# KiCad board DecentUSB.kicad_pcb (continued)
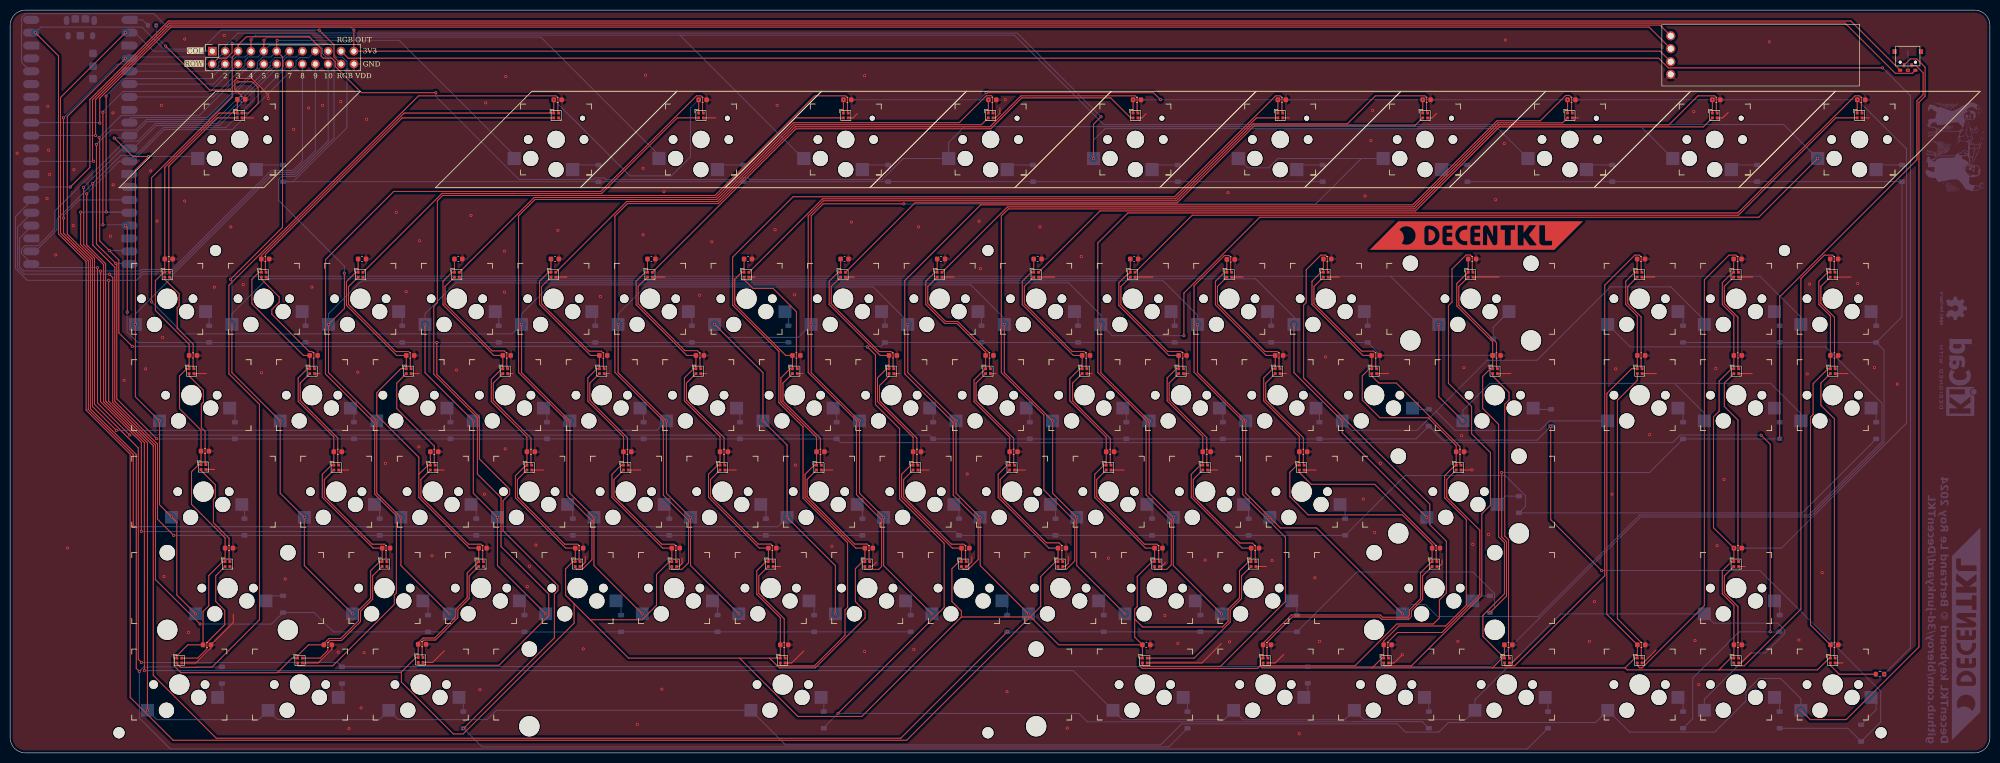
[diagram p0: board, top side]
## Footprints (pads in the part's own frame, mm; a bottom-side part is the same pattern mirrored in y, then rotated)
C_0603_1608Metric
  rrect 0.9x0.95 smd: 1(-0.775,0) 2(0.775,0)
D_SOD-123
  rrect 0.9x1.2 smd: 1(-1.65,0) 2(1.65,0)
GT-EVA01AA-L1
  rect 0.8x0.95 smd: (-2.6,1.85) (2.6,1.83)
  round 0.6 hole 0.6 unplated: (-1.5,-0.25) (1.5,-0.25)
  rrect 0.8x0.6 smd: A(-1.5,-1.85) B(1.5,-1.85) C(0,-1.85)
  rect 0.5x0.8 smd: S1(-0.75,-0.85) S2(0.75,-0.85)
Kailh_socket_Choc_1-50U-XE
  round 1.702 hole 1.702 unplated: (-3,4.85) (8,4.85)
  round 3 hole 3 unplated: (-2.5,1.1) (2.5,-1.1)
  round 3.429 hole 3.429 unplated: (2.5,4.85)
  round 0.991 hole 0.991 unplated: (7.72,9.05)
  rect 2.6x2.6 smd far side: 1(-5.775,1.1) 2(5.775,-1.1)
Kailh_socket_MX_1-00U
  round 1.702 hole 1.702 unplated: (-5.715,3.81) (4.445,3.81)
  round 3 hole 3 unplated: (-3.175,-1.27) (3.175,1.27)
  round 3.988 hole 3.988 unplated: (-0.635,3.81)
  rect 2.55x2.5 smd far side: 1(-6.925,-1.27) 2(6.925,1.27)
Kailh_socket_MX_1-25U
  round 1.702 hole 1.702 unplated: (-5.715,3.81) (4.445,3.81)
  round 3 hole 3 unplated: (-3.175,-1.27) (3.175,1.27)
  round 3.988 hole 3.988 unplated: (-0.635,3.81)
  rect 2.55x2.5 smd far side: 1(-6.925,-1.27) 2(6.925,1.27)
Kailh_socket_MX_1-50U
  round 1.702 hole 1.702 unplated: (-5.715,3.81) (4.445,3.81)
  round 3 hole 3 unplated: (-3.175,-1.27) (3.175,1.27)
  round 3.988 hole 3.988 unplated: (-0.635,3.81)
  rect 2.55x2.5 smd far side: 1(-6.925,-1.27) 2(6.925,1.27)
Kailh_socket_MX_1-75U
  round 1.702 hole 1.702 unplated: (-5.715,3.81) (4.445,3.81)
  round 3 hole 3 unplated: (-3.175,-1.27) (3.175,1.27)
  round 3.988 hole 3.988 unplated: (-0.635,3.81)
  rect 2.55x2.5 smd far side: 1(-6.925,-1.27) 2(6.925,1.27)
Kailh_socket_MX_2-00U
  round 3.05 hole 3.05 unplated: (-12.535,10.81) (11.265,10.81)
  round 4 hole 4 unplated: (-12.535,-4.43) (11.265,-4.43)
  round 1.702 hole 1.702 unplated: (-5.715,3.81) (4.445,3.81)
  round 3 hole 3 unplated: (-3.175,-1.27) (3.175,1.27)
  round 3.988 hole 3.988 unplated: (-0.635,3.81)
  rect 2.55x2.5 smd far side: 1(-6.925,-1.27) 2(6.925,1.27)
Kailh_socket_MX_2-25U
  round 3.05 hole 3.05 unplated: (-12.535,10.81) (11.265,10.81)
  round 4 hole 4 unplated: (-12.535,-4.43) (11.265,-4.43)
  round 1.702 hole 1.702 unplated: (-5.715,3.81) (4.445,3.81)
  round 3 hole 3 unplated: (-3.175,-1.27) (3.175,1.27)
  round 3.988 hole 3.988 unplated: (-0.635,3.81)
  rect 2.55x2.5 smd far side: 1(-6.925,-1.27) 2(6.925,1.27)
Kailh_socket_MX_2-75U
  round 3.05 hole 3.05 unplated: (-12.535,10.81) (11.265,10.81)
  round 4 hole 4 unplated: (-12.535,-4.43) (11.265,-4.43)
  round 1.702 hole 1.702 unplated: (-5.715,3.81) (4.445,3.81)
  round 3 hole 3 unplated: (-3.175,-1.27) (3.175,1.27)
  round 3.988 hole 3.988 unplated: (-0.635,3.81)
  rect 2.55x2.5 smd far side: 1(-6.925,-1.27) 2(6.925,1.27)
Kailh_socket_MX_6-25U
  round 3.05 hole 3.05 unplated: (-50.635,10.81) (49.365,10.81)
  round 4 hole 4 unplated: (-50.635,-4.43) (49.365,-4.43)
  round 1.702 hole 1.702 unplated: (-5.715,3.81) (4.445,3.81)
  round 3 hole 3 unplated: (-3.175,-1.27) (3.175,1.27)
  round 3.988 hole 3.988 unplated: (-0.635,3.81)
  rect 2.55x2.5 smd far side: 1(-6.925,-1.27) 2(6.925,1.27)
MountingHole_2.2mm_M2
  round 2.2 hole 2.2 unplated: (0,0)
PinSocket_2x12_P2.54mm_Vertical
  rect 1.7x1.7 hole 1: 1(0,0)
  oval 1.7x1.7 hole 1: 2(0,-2.54) 3(0,-5.08) 4(0,-7.62) 5(0,-10.16) 6(0,-12.7) 7(0,-15.24) 8(0,-17.78) 9(0,-20.32) 10(0,-22.86) 11(-2.54,0) 12(-2.54,-2.54) 13(-2.54,-5.08) 14(-2.54,-7.62) 15(-2.54,-10.16) 16(-2.54,-12.7) 17(-2.54,-15.24) 18(-2.54,-17.78) 19(-2.54,-20.32) 20(-2.54,-22.86) 21(0,-25.4) 22(-2.54,-25.4) 23(0,-27.94) 24(-2.54,-27.94)
R_0603_1608Metric
  rrect 0.8x0.95 smd: 1(-0.825,0) 2(0.825,0)
RaspberryPi_Pico_W_SMD
  oval 1.1x1.8 smd: (-2.725,24) (2.725,24)
  oval 1.05x1.45 smd: (-2.425,20.97) (2.425,20.97)
  custom 1.6x1.6 smd: 1(-8.89,24.13) 3(-8.89,19.05) 8(-8.89,6.35) 13(-8.89,-6.35) 18(-8.89,-19.05) 23(8.89,-19.05) 28(8.89,-6.35) 33(8.89,6.35) 38(8.89,19.05)
  rrect 3.2x1.6 smd: 2(-8.89,21.59) 4(-8.89,16.51) 5(-8.89,13.97) 6(-8.89,11.43) 7(-8.89,8.89) 9(-8.89,3.81) 10(-8.89,1.27) 11(-8.89,-1.27) 12(-8.89,-3.81) 14(-8.89,-8.89) 15(-8.89,-11.43) 16(-8.89,-13.97) 17(-8.89,-16.51) 19(-8.89,-21.59) 20(-8.89,-24.13) 21(8.89,-24.13) 22(8.89,-21.59) 24(8.89,-16.51) 25(8.89,-13.97) 26(8.89,-11.43) 27(8.89,-8.89) 29(8.89,-3.81) 30(8.89,-1.27) 31(8.89,1.27) 32(8.89,3.81) 34(8.89,8.89) 35(8.89,11.43) 36(8.89,13.97) 37(8.89,16.51) 39(8.89,21.59) 40(8.89,24.13)
  rrect 1.5x1.5 smd: TP1(0,21) TP2(1,24.3) TP3(-1,24.3) TP4(-2.5,17.5) TP5(-2.5,15) TP6(-2.5,12.5)
SK6809-EC15
  rect 0.55x0.55 smd: 1(-0.475,-0.475) 2(0.475,-0.475) 3(0.475,0.475) 4(-0.475,0.475)
SSD1306
  round 1.8 hole 1.2: 1(-18.2,3.81) 2(-18.2,1.27) 3(-18.2,-1.3) 4(-18.2,-3.81)

## Nets
3V3: J1.23 U1.36 U2.3
GND: C1.2 C2.2 C3.2 C4.2 C5.2 C6.2 C7.2 C8.2 C9.2 C10.2 C11.2 C12.2 C13.2 C14.2 C15.2 C16.2 C17.2 C18.2 C19.2 C20.2 C21.2 C22.2 C23.2 C24.2 C25.2 C26.2 C27.2 C28.2 C29.2 C30.2 C31.2 C32.2 C33.2 C34.2 C35.2 C36.2 C37.2 C38.2 C39.2 C40.2 C41.2 C42.2 C43.2 C44.2 C45.2 C46.2 C47.2 C48.2 C49.2 C50.2 C51.2 C52.2 C53.2 C54.2 C55.2 C56.2 C57.2 C58.2 C59.2 C60.2 C61.2 C62.2 C63.2 C64.2 C65.2 C66.2 C67.2 C68.2 C69.2 C70.2 C71.2 C72.2 C73.2 C74.2 C75.2 C76.2 C77.2 C78.2 C79.2 C80.2 C81.2 C82.2 D2.2 D4.2 D6.2 D8.2 D10.2 D12.2 D14.2 D16.2 D18.2 D20.2 D22.2 D24.2 D26.2 D28.2 D30.2 D32.2 D34.2 D36.2 D38.2 D40.2 D42.2 D44.2 D46.2 D48.2 D50.2 D52.2 D54.2 D56.2 D58.2 D60.2 D62.2 D64.2 D66.2 D68.2 D70.2 D72.2 D74.2 D76.2 D78.2 D80.2 D82.2 D84.2 D86.2 D88.2 D90.2 D92.2 D94.2 D96.2 D98.2 D100.2 D102.2 D104.2 D106.2 D108.2 D110.2 D112.2 D114.2 D116.2 D118.2 D120.2 D122.2 D124.2 D126.2 D128.2 D130.2 D132.2 D134.2 D136.2 D138.2 D140.2 D142.2 D144.2 D146.2 D148.2 D150.2 D152.2 D154.2 D156.2 D158.2 D160.2 D162.2 D164.2 J1.24 SW1.C U1.3 U1.8 U1.13 U1.18 U1.23 U1.28 U1.38 U2.4
/A/RGB_IN: D44.1 D72.3
/A/RGB_OUT: D72.1 D98.3
/Apostrophe/RGB_IN: D64.1 D92.3
/Apostrophe/RGB_OUT: D92.1 D118.3
/Atari/RGB_IN: D98.1 D130.3
/Atari/RGB_OUT: D130.1 D148.3
/B/RGB_IN: D80.1 D106.3
/B/RGB_OUT: D106.1 D134.3
/Backslash/RGB_IN: D30.1 D68.3
/Backslash/RGB_OUT: D68.1 D136.3
/Backspace/RGB_IN: D30.3 D138.1
/Backtick/RGB_IN: D2.3 D146.1
/Backtick/RGB_OUT: D2.1 D6.3
/C/RGB_IN: D76.1 D102.3
/C/RGB_OUT: D102.1 D152.3
/Caps/RGB_IN: D6.1 D70.3
/Caps/RGB_OUT: D70.1 D96.3
/Comma/RGB_IN: D86.1 D112.3
/Comma/RGB_OUT: D112.1 D162.3
/D/RGB_IN: D48.1 D76.3
/Delete/RGB_IN: D32.1 D40.3
/Delete/RGB_OUT: D40.1 D124.3
/Down/RGB_IN: D120.1 D122.3
/Down/RGB_OUT: D36.3 D122.1
/E/RGB_IN: D10.1 D48.3
/Eight/RGB_IN: D20.3 D160.1
/Eight/RGB_OUT: D20.1 D58.3
/End/RGB_IN: D34.1 D38.3
/End/RGB_OUT: D38.1 D120.3
/Equal/RGB_IN: D28.3 D140.1
/Equal/RGB_OUT: D28.1 D66.3
/Esc/RGB_IN: D146.3 R1.2
/F1/RGB_IN: D128.1 D144.3
/F1/RGB_OUT: D4.3 D144.1
/F2/RGB_OUT: D8.3 D148.1
/F3/RGB_IN: D132.1 D150.3
/F3/RGB_OUT: D10.3 D150.1
/F4/RGB_OUT: D12.3 D152.1
/F5/RGB_IN: D104.1 D154.3
/F5/RGB_OUT: D14.3 D154.1
/F6/RGB_IN: D134.1 D156.3
/F6/RGB_OUT: D16.3 D156.1
/F7/RGB_IN: D108.1 D158.3
/F7/RGB_OUT: D18.3 D158.1
/F8/RGB_IN: D110.1 D160.3
/F9/RGB_OUT: D22.3 D162.1
/F10/RGB_IN: D114.1 D164.3
/F10/RGB_OUT: D24.3 D164.1
/F/RGB_IN: D50.1 D78.3
/F/RGB_OUT: D78.1 D104.3
/Five/RGB_OUT: D14.1 D52.3
/Fn/RGB_IN: D118.1 D140.3
/Four/RGB_OUT: D12.1 D50.3
/G/RGB_IN: D52.1 D80.3
/H/RGB_IN: D54.1 D82.3
/H/RGB_OUT: D82.1 D108.3
/Home/RGB_IN: D34.3 D124.1
/I/RGB_OUT: D58.1 D86.3
/Insert/RGB_IN: D32.3 D136.1
/J/RGB_IN: D56.1 D84.3
/J/RGB_OUT: D84.1 D110.3
/L/RGB_IN: D60.1 D88.3
/L/RGB_OUT: D88.1 D114.3
/LeftAlt/RGB_IN: D100.1 D132.3
/LeftBracket/RGB_IN: D26.1 D64.3
/LeftControl/RGB_IN: D96.1 D128.3
/Menu/RGB_IN: D94.1 D138.3
/Minus/RGB_IN: D26.3 D142.1
/Nine/RGB_OUT: D22.1 D60.3
/One/RGB_OUT: D4.1 D44.3
/P/RGB_IN: D24.1 D62.3
/P/RGB_OUT: D62.1 D90.3
/PageDown/RGB_IN: D36.1 D42.3
/PageDown/RGB_OUT: D42.1 D126.3
/Return/RGB_IN: D66.1 D94.3
/Right/RGB_OUT: D126.1 R2.1
/RightAlt/RGB_IN: D116.1 D142.3
/S/RGB_IN: D46.1 D74.3
/S/RGB_OUT: D74.1 D100.3
/Semicolon/RGB_OUT: D90.1 D116.3
/Seven/RGB_OUT: D18.1 D56.3
/Six/RGB_OUT: D16.1 D54.3
/Two/RGB_OUT: D8.1 D46.3
COL_1: J1.1 SW9.1 SW10.1 SW28.1 SW29.1 SW42.1 SW43.1 SW55.1 SW56.1 SW79.1 SW80.1 U1.2
COL_2: J1.2 SW8.1 SW11.1 SW27.1 SW30.1 SW41.1 SW44.1 SW54.1 SW57.1 SW78.1 SW81.1 U1.4
COL_3: J1.3 SW7.1 SW12.1 SW26.1 SW31.1 SW40.1 SW45.1 SW53.1 SW58.1 SW77.1 SW82.1 U1.5
COL_4: J1.4 SW6.1 SW13.1 SW25.1 SW32.1 SW39.1 SW46.1 SW52.1 SW59.1 SW76.1 SW83.1 U1.6
COL_5: J1.5 SW5.1 SW14.1 SW17.1 SW24.1 SW33.1 SW38.1 SW47.1 SW51.1 SW60.1 SW75.1 U1.7
COL_6: J1.6 SW3.1 SW15.1 SW18.1 SW21.1 SW23.1 SW34.1 SW37.1 SW48.1 SW50.1 SW73.1 U1.9
COL_7: J1.7 SW2.1 SW4.1 SW16.1 SW19.1 SW20.1 SW22.1 SW35.1 SW36.1 SW49.1 SW74.1 U1.10
COL_8: J1.8 SW61.1 SW62.1 SW69.1 SW70.1 SW71.1 SW72.1 U1.11
COL_9: J1.9 SW1.S1 SW63.1 SW64.1 SW65.1 SW66.1 SW67.1 SW68.1 U1.12
RGB_LED_OUT: J1.21 R2.2
RGB_VDD: C1.1 C2.1 C3.1 C4.1 C5.1 C6.1 C7.1 C8.1 C9.1 C10.1 C11.1 C12.1 C13.1 C14.1 C15.1 C16.1 C17.1 C18.1 C19.1 C20.1 C21.1 C22.1 C23.1 C24.1 C25.1 C26.1 C27.1 C28.1 C29.1 C30.1 C31.1 C32.1 C33.1 C34.1 C35.1 C36.1 C37.1 C38.1 C39.1 C40.1 C41.1 C42.1 C43.1 C44.1 C45.1 C46.1 C47.1 C48.1 C49.1 C50.1 C51.1 C52.1 C53.1 C54.1 C55.1 C56.1 C57.1 C58.1 C59.1 C60.1 C61.1 C62.1 C63.1 C64.1 C65.1 C66.1 C67.1 C68.1 C69.1 C70.1 C71.1 C72.1 C73.1 C74.1 C75.1 C76.1 C77.1 C78.1 C79.1 C80.1 C81.1 C82.1 D2.4 D4.4 D6.4 D8.4 D10.4 D12.4 D14.4 D16.4 D18.4 D20.4 D22.4 D24.4 D26.4 D28.4 D30.4 D32.4 D34.4 D36.4 D38.4 D40.4 D42.4 D44.4 D46.4 D48.4 D50.4 D52.4 D54.4 D56.4 D58.4 D60.4 D62.4 D64.4 D66.4 D68.4 D70.4 D72.4 D74.4 D76.4 D78.4 D80.4 D82.4 D84.4 D86.4 D88.4 D90.4 D92.4 D94.4 D96.4 D98.4 D100.4 D102.4 D104.4 D106.4 D108.4 D110.4 D112.4 D114.4 D116.4 D118.4 D120.4 D122.4 D124.4 D126.4 D128.4 D130.4 D132.4 D134.4 D136.4 D138.4 D140.4 D142.4 D144.4 D146.4 D148.4 D150.4 D152.4 D154.4 D156.4 D158.4 D160.4 D162.4 D164.4 J1.22 U1.39
ROW_1: D127.1 D135.1 D143.1 D145.1 D147.1 D149.1 D151.1 D153.1 D155.1 J1.11 U1.15
ROW_2: D31.1 D33.1 D35.1 D129.1 D139.1 D157.1 D159.1 D161.1 D163.1 J1.12 U1.16
ROW_3: D1.1 D3.1 D7.1 D9.1 D11.1 D13.1 D15.1 D131.1 D141.1 J1.13 U1.17
ROW_4: D17.1 D19.1 D21.1 D23.1 D25.1 D27.1 D29.1 D133.1 D137.1 J1.14 U1.19
ROW_5: D5.1 D43.1 D45.1 D47.1 D49.1 D51.1 D53.1 D119.1 D123.1 J1.15 U1.20
ROW_6: D55.1 D57.1 D59.1 D61.1 D63.1 D65.1 D67.1 D121.1 D125.1 J1.16 U1.21
ROW_7: D69.1 D71.1 D73.1 D75.1 D77.1 D79.1 D81.1 J1.17 U1.22
ROW_8: D41.1 D83.1 D85.1 D87.1 D89.1 D91.1 D93.1 J1.18 U1.24
ROW_9: D95.1 D97.1 D99.1 D101.1 D103.1 D105.1 D107.1 J1.19 U1.25
ROW_10: D37.1 D39.1 D109.1 D111.1 D113.1 D115.1 D117.1 J1.20 SW1.S2 U1.26
Net-(D1-A): D1.2 SW2.2
Net-(D3-A): D3.2 SW3.2
Net-(D5-A): D5.2 SW4.2
Net-(D7-A): D7.2 SW5.2
Net-(D9-A): D9.2 SW6.2
Net-(D11-A): D11.2 SW7.2
Net-(D13-A): D13.2 SW8.2
Net-(D15-A): D15.2 SW9.2
Net-(D17-A): D17.2 SW10.2
Net-(D19-A): D19.2 SW11.2
Net-(D21-A): D21.2 SW12.2
Net-(D23-A): D23.2 SW13.2
Net-(D25-A): D25.2 SW14.2
Net-(D27-A): D27.2 SW15.2
Net-(D29-A): D29.2 SW16.2
Net-(D31-A): D31.2 SW17.2
Net-(D33-A): D33.2 SW18.2
Net-(D35-A): D35.2 SW19.2
Net-(D37-A): D37.2 SW20.2
Net-(D39-A): D39.2 SW21.2
Net-(D41-A): D41.2 SW22.2
Net-(D43-A): D43.2 SW23.2
Net-(D45-A): D45.2 SW24.2
Net-(D47-A): D47.2 SW25.2
Net-(D49-A): D49.2 SW26.2
Net-(D51-A): D51.2 SW27.2
Net-(D53-A): D53.2 SW28.2
Net-(D55-A): D55.2 SW29.2
Net-(D57-A): D57.2 SW30.2
Net-(D59-A): D59.2 SW31.2
Net-(D61-A): D61.2 SW32.2
Net-(D63-A): D63.2 SW33.2
Net-(D65-A): D65.2 SW34.2
Net-(D67-A): D67.2 SW35.2
Net-(D69-A): D69.2 SW36.2
Net-(D71-A): D71.2 SW37.2
Net-(D73-A): D73.2 SW38.2
Net-(D75-A): D75.2 SW39.2
Net-(D77-A): D77.2 SW40.2
Net-(D79-A): D79.2 SW41.2
Net-(D81-A): D81.2 SW42.2
Net-(D83-A): D83.2 SW43.2
Net-(D85-A): D85.2 SW44.2
Net-(D87-A): D87.2 SW45.2
Net-(D89-A): D89.2 SW46.2
Net-(D91-A): D91.2 SW47.2
Net-(D93-A): D93.2 SW48.2
Net-(D95-A): D95.2 SW49.2
Net-(D97-A): D97.2 SW50.2
Net-(D99-A): D99.2 SW51.2
Net-(D101-A): D101.2 SW52.2
Net-(D103-A): D103.2 SW53.2
Net-(D105-A): D105.2 SW54.2
Net-(D107-A): D107.2 SW55.2
Net-(D109-A): D109.2 SW56.2
Net-(D111-A): D111.2 SW57.2
Net-(D113-A): D113.2 SW58.2
Net-(D115-A): D115.2 SW59.2
Net-(D117-A): D117.2 SW60.2
Net-(D119-A): D119.2 SW61.2
Net-(D121-A): D121.2 SW62.2
Net-(D123-A): D123.2 SW63.2
Net-(D125-A): D125.2 SW64.2
Net-(D127-A): D127.2 SW65.2
Net-(D129-A): D129.2 SW66.2
Net-(D131-A): D131.2 SW67.2
Net-(D133-A): D133.2 SW68.2
Net-(D135-A): D135.2 SW69.2
Net-(D137-A): D137.2 SW70.2
Net-(D139-A): D139.2 SW71.2
Net-(D141-A): D141.2 SW72.2
Net-(D143-A): D143.2 SW73.2
Net-(D145-A): D145.2 SW74.2
Net-(D147-A): D147.2 SW75.2
Net-(D149-A): D149.2 SW76.2
Net-(D151-A): D151.2 SW77.2
Net-(D153-A): D153.2 SW78.2
Net-(D155-A): D155.2 SW79.2
Net-(D157-A): D157.2 SW80.2
Net-(D159-A): D159.2 SW81.2
Net-(D161-A): D161.2 SW82.2
Net-(D163-A): D163.2 SW83.2
Net-(U1-GPIO0): R1.1 U1.1
Net-(U1-GPIO21): SW1.A U1.27
Net-(U1-GPIO22): SW1.B U1.29
Net-(U1-GPIO26_ADC0): U1.31 U2.1
Net-(U1-GPIO27_ADC1): U1.32 U2.2

Pads without a net: J1 10; U1 14 30 33 34 35 37 40 TP1 TP2 TP3 TP4 TP5 TP6

## Via types
v1: diameter 0.6, hole 0.3, Top to Bottom, 275 vias

## Routing (per net, layer and track width the routed paths; a pad name or vN(x,y) marks a point on that pad's centre or on a via; arc(x,y) is an arc through that point)
3V3: length 343.4
  Top w0.2: v1(67.83,142.74) J1.23 325.57,138.59 U2.3
  Bottom w0.2: v1(67.83,142.74) 67.23,143.34 31.04,143.34 28.38,146 3.03,146 2.25,145.23 2.25,136.37 4.01,134.62
GND: length 217
  Top w0.2: 44.04,27.39 44.04,25.76 C64.2 39.61,20.75 36.63,17.76 D128.2 ; 156.59,20.14 154.21,17.76 D134.2 ; D120.2 342.31,36.81 ; D126.2 361.61,17.76 ; 36.26,74.91 38.71,74.91 ; 338.99,126.49 337.91,125.41 D162.2 ; D28.2 262.26,93.96 ; D148.2 139.16,125.41 ; 341.05,74.91 343.71,74.91 ; D106.2 152.01,36.81 ; 179.11,55.86 181.31,55.86 ; 224.14,126.24 223.31,125.41 D154.2 ; D142.2 235.16,17.76 238.99,21.59 ; D146.2 48.01,125.41 ; D118.2 281.99,36.81 282.54,37.36 282.54,38.09 ; 193.41,74.91 194.56,74.91 ; 147.01,93.96 D16.2 ; 255.31,55.86 257.71,55.86 ; D140.2 249.61,17.76 251.29,19.44 ; D22.2 206.06,93.96 ; 293.46,74.91 296.11,74.91 ; 274.59,19.29 v1(274.69,19.39) 273.06,17.76 D138.2 ; v1(50.94,129.24) 50.94,129.95 47.7,133.19 44.74,133.19 44.34,132.79 44.34,131.11 C73.2 ; 160.06,55.86 162.31,55.86 ; D130.2 60.78,17.76 63.46,20.45 C65.2 ; D150.2 166.31,125.41 167.14,126.24 ; 60.06,74.91 61.11,74.91 ; D24.2 225.46,93.96 ; D104.2 131.96,36.81 132.59,37.44 132.59,38.49 ; D160.2 309.41,125.41 ; D124.2 322.19,17.76 324.74,20.31 ; 98.16,74.91 99.21,74.91 ; 64.81,55.86 66.76,55.86 ; D152.2 194.41,125.41 195.29,126.29 195.29,127.39 ; D20.2 186.26,93.96 ; D12.2 109.86,93.96 ; D164.2 366.81,125.41 ; D116.2 247.86,36.81 ; 236.26,55.86 238.21,55.86 ; D26.2 243.31,93.96 ; D34.2 343.81,93.96 ; 227.99,37.59 227.21,36.81 D114.2 ; 212.46,74.91 213.46,74.91 ; 141.01,55.86 143.26,55.86 ; 189.74,38.74 189.74,37.71 188.84,36.81 D110.2 ; D18.2 166.56,93.96 ; D158.2 280.56,125.41 281.44,126.29 ; D136.2 296.29,17.76 297.94,19.41 ; 343.54,19.79 341.51,17.76 D122.2 ; 85.69,20.19 83.37,17.87 D132.2 ; D36.2 363.21,93.96 ; D32.2 324.51,93.96 ; 250.56,74.91 251.86,74.91 ; 288.41,55.86 v1(288.44,55.89) 286.26,55.86 ; 121.96,55.86 124.41,55.86 ; 174.36,74.91 175.51,74.91 ; D102.2 112.64,36.81 113.49,37.66 113.49,38.84 ; 374.42,134.81 374.42,134.82 v1(374.44,134.84) ; D156.2 252.41,125.41 ; 269.61,74.91 271.96,74.91 ; D70.2 40.32,55.97 ; 208.79,38.79 208.79,37.44 208.16,36.81 D112.2 ; D108.2 170.06,36.81 170.94,37.69 ; 102.91,55.86 105.21,55.86 ; 117.21,74.91 118.26,74.91 ; 217.21,55.86 219.76,55.86 ; 79.11,74.91 80.71,74.91 ; D30.2 293.76,93.96 ; 322,74.91 324.81,74.91 ; 198.16,55.86 200.31,55.86 ; 231.51,74.91 232.51,74.91 ; 360.1,74.91 362.61,74.91 ; 155.31,74.91 156.41,74.91 ; 136.26,74.91 137.41,74.91 ; 83.86,55.86 85.66,55.86 ; D14.2 129.21,93.96
  Bottom w0.2: v1(374.44,134.84) 374.44,138.74
  vias: v1(1.39,118.44) v1(7.29,109.49) v1(7.44,127.69) v1(7.59,119.04) v1(7.79,114.24) v1(8.99,98.34) v1(11.34,40.44) v1(12.44,104.14) v1(12.59,115.19) v1(19.79,102.04) v1(20.29,126.39) v1(20.34,112.19) v1(22.49,73.59) v1(26.74,75.84) v1(27.74,114.94) v1(28.99,105.04) v1(29.84,127.89) v1(30.09,82.04) v1(30.34,34.84) v1(34.44,140.99) v1(34.44,108.99) v1(35.19,23.79) v1(40.29,91.99) v1(42.24,141.69) v1(43.54,103.89) v1(45.99,92.49) v1(49.59,75.09) v1(54.29,34.34) v1(55.94,123.14) v1(58.89,127.39) v1(59.54,91.99) v1(61.64,127.89) v1(64.74,19.89) v1(65.24,128.64) v1(66.84,4.79) v1(68.59,75.19) v1(69.24,8.89) v1(69.84,19.79) v1(70.34,125.14) v1(74.04,57.19) v1(76.19,106.74) v1(78.14,91.09) v1(80.64,60.44) v1(80.79,101.14) v1(83.24,38.94) v1(88.09,75.59) v1(90.94,106.14) v1(92.69,12.49) v1(93.59,51.09) v1(93.84,128.39) v1(97.54,99.09) v1(97.54,90.99) v1(97.69,60.04) v1(97.79,133.59) v1(102.04,32.84) v1(102.49,36.84) v1(103.74,41.04) v1(108.09,103.19) v1(113.09,20.54) v1(116.44,90.14) v1(123.74,5.64) v1(124.89,115.44) v1(124.89,102.34) v1(125.39,133.84) v1(128.59,12.59) v1(128.99,110.84) v1(136.04,90.39) v1(138.44,100.94) v1(150.94,103.34) v1(151.34,127.89) v1(154.79,90.49) v1(154.94,56.84) v1(162.14,40.79) v1(165.99,104.84) v1(168.59,133.74) v1(168.59,20.04) v1(178.29,20.44) v1(179.24,103.89) v1(188.84,55.09) v1(191.19,104.99) v1(191.44,95.63) v1(196.34,128.99) v1(196.69,12.09) v1(203.19,103.89) v1(208.59,4.89) v1(211.34,98.04) v1(216.69,38.44) v1(227.84,27.14) v1(230.39,21.64) v1(235.79,38.09) v1(240.29,110.64) v1(240.59,21.94) v1(248.99,37.99) v1(254.34,3.79) v1(257.44,34.59) v1(258.34,22.04) v1(259.54,78.19) v1(266.99,50.14) v1(267.34,109.99) v1(268.49,120.94) v1(268.84,126.89) v1(269.24,43.54) v1(270.34,57.19) v1(285.64,22.04) v1(286.39,62.64) v1(286.84,76.09) v1(288.59,41.19) v1(291.69,43.14) v1(293.09,109.24) v1(294.79,120.34) v1(295.04,140.79) v1(311.59,22.04) v1(312.59,29.89) v1(316.04,51.09) v1(316.79,75.84) v1(323.49,62.84) v1(332.19,126.64) v1(332.44,22.19) v1(333.19,13.49) v1(336.54,75.94) v1(336.79,40.94) v1(338.19,53.99) v1(347.09,140.44) v1(352.94,22.29) v1(354.59,74.84) v1(355.04,92.59) v1(357.54,35.59) v1(364.54,92.69) v1(367.84,76.09) v1(372.34,72.84)
/A/RGB_IN: length 21.8
  Top w0.2: 64.64,56.99 64.64,62.18 57.23,69.59 57.23,73.03 59.11,74.91
/A/RGB_OUT: length 25.2
  Top w0.2: 63.86,55.86 61.99,53.99 61.99,50.62 71.4,41.21 73.86,41.21 74.16,40.91 74.16,37.94
/Apostrophe/RGB_IN: length 21.8
  Top w0.2: 249.61,74.91 247.73,73.03 247.73,69.67 255.16,62.24 255.16,56.96
/Apostrophe/RGB_OUT: length 36.5
  Top w0.2: 254.36,55.86 254.36,55.39 256.71,53.04 269.24,53.04 281.36,40.91 281.36,37.91
/Atari/RGB_IN: length 28
  Top w0.2: D98.1 71.52,34.94 71.52,30.37 69.14,27.99 69.14,25.94 65.39,22.19 63.09,22.19 62.69,21.79 62.69,20.24 61.16,18.71 D130.3
/Atari/RGB_OUT: length 189.5
  Top w0.2: D130.1 56.72,17.29 56.82,17.19 63.66,17.19 75.8,29.33 75.8,31.17 76.21,31.57 76.21,46.84 71.94,51.11 71.94,65.12 62.21,74.84 62.21,84.86 62.24,84.89 62.24,97.44 75.69,110.89 116.54,110.89 135.41,129.76 136.31,129.76 136.61,129.46 136.61,126.54
/B/RGB_IN: length 25.2
  Top w0.2: 140.06,55.86 138.19,53.99 138.19,50.62 147.58,41.24 150.09,41.24 150.39,40.94 150.39,37.91
/B/RGB_OUT: length 20.8
  Top w0.2: 152.74,18.89 152.74,26.47 147.72,31.49 147.72,34.94 D106.1
/Backslash/RGB_IN: length 22
  Top w0.2: D30.1 285.83,92.11 285.83,88.44 293.26,81.01 293.26,76.06 D68.3
/Backslash/RGB_OUT: length 58
  Top w0.2: 295.64,18.89 295.64,42.09 294.9,42.83 294.9,68.87 295.74,69.71 295.74,71.21 292.51,74.44 292.51,74.91
/Backspace/RGB_IN: length 102.8
  Top w0.2: D138.1 271.01,17.29 271.11,17.19 276.49,17.19 290.37,31.07 290.37,47.2 292.07,48.91 292.07,59.3 288.35,63.02 288.35,68.42 283.78,72.99 283.78,88.34 284.49,89.04 284.49,95.56 287.26,98.34 288.11,98.34 288.49,97.96 288.49,95.06
/Backtick/RGB_IN: length 38.3
  Top w0.2: D146.1 40.84,125.41 31.31,115.88 31.31,95.06
/Backtick/RGB_OUT: length 20.6
  Top w0.2: D2.1 30.51,93.5 33.34,90.66 33.34,88.3 32.96,87.92 32.96,83.87 36.11,80.71 36.11,76.01
/C/RGB_IN: length 25.2
  Top w0.2: 101.96,55.86 100.09,53.99 100.09,50.53 109.41,41.21 111.96,41.21 112.26,40.91 112.26,37.94
/C/RGB_OUT: length 184.9
  Top w0.2: 193.81,126.49 193.81,129.61 193.64,129.79 192.59,129.79 187.26,124.46 154.57,124.46 139.39,109.29 103.55,109.29 100.31,106.05 100.31,75.12 109.83,65.6 109.83,50.79 114.8,45.83 114.8,38.15 112.89,36.24 111.86,36.24 111.49,36.61 D102.1
/Caps/RGB_IN: length 19.5
  Top w0.2: 35.31,74.91 35.31,74.44 38.14,71.61 38.14,69.29 37.72,68.87 37.72,64.25 38.46,63.51 38.46,57.07
/Caps/RGB_OUT: length 20.6
  Top w0.2: 43.19,37.94 43.19,42.39 40.1,45.47 40.1,50.06 40.49,50.44 40.49,52.95 37.66,55.77 D70.1
/Comma/RGB_IN: length 25.2
  Top w0.2: 207.51,37.94 207.51,40.91 206.94,41.49 204.48,41.49 195.34,50.62 195.34,53.99 197.21,55.86
/Comma/RGB_OUT: length 232.6
  Top w0.2: D112.1 206.74,36.34 206.84,36.24 208.4,36.24 210.05,37.89 210.05,45.83 203.97,51.91 203.97,66.71 195.56,75.12 195.56,106.05 196.95,107.44 277.1,107.44 293.7,124.04 327.29,124.04 333.01,129.76 336.31,129.76 336.64,129.44 336.64,126.54
/D/RGB_IN: length 21.8
  Top w0.2: 102.76,56.96 102.76,62.16 95.33,69.59 95.33,73.03 97.21,74.91
/Delete/RGB_IN: length 20
  Top w0.2: D32.1 319.17,92.12 319.17,88.72 321.8,86.09 321.8,76.06 D40.3
/Delete/RGB_OUT: length 59.6
  Top w0.2: 321.84,18.86 321.84,21.79 317.12,26.5 317.12,69.64 321.05,73.56 321.05,74.91
/Down/RGB_IN: length 19.9
  Top w0.2: D120.1 338.22,34.94 338.22,31.57 340.91,28.88 340.91,18.84
/Down/RGB_OUT: length 95.1
  Top w0.2: D122.1 340.09,17.56 340.46,17.19 342.14,17.19 353.33,28.38 353.33,93.68 357.96,98.31 359.56,98.31 359.91,97.96 359.91,95.06
/E/RGB_IN: length 25.2
  Top w0.2: 97.99,76.04 97.99,78.94 97.54,79.39 95.09,79.39 85.81,88.67 85.81,92.11 D10.1
/Eight/RGB_IN: length 136.1
  Top w0.2: D20.3 196.79,107.84 276.93,107.84 293.53,124.44 306.31,124.44 D160.1
/Eight/RGB_OUT: length 25.4
  Top w0.2: D20.1 181.06,92.11 181.06,88.72 184.57,85.21 186.96,85.21 193.21,78.96 193.21,76.06 D58.3
/End/RGB_IN: length 19.8
  Top w0.2: D34.1 338.22,92.12 338.22,88.72 340.9,86.04 340.9,76.01
/End/RGB_OUT: length 38.9
  Top w0.2: 340.1,74.91 338.22,73.03 338.22,68.42 340.91,65.73 340.91,37.89
/Equal/RGB_IN: length 128.8
  Top w0.2: 259.89,95.09 259.89,97.99 259.56,98.31 258.61,98.31 255.72,95.42 255.72,88.92 255.21,88.41 255.21,74.04 280.1,49.14 280.1,45.07 283.38,41.79 283.38,31.57 282,30.2 282,26.65 280.81,25.46 273.61,25.46 265.34,17.19 247.31,17.19 247.21,17.29 D140.1
/Equal/RGB_OUT: length 25.1
  Top w0.2: 269.44,76.04 269.44,78.94 269.04,79.34 266.64,79.34 257.26,88.72 257.26,92.11 D28.1
/Esc/RGB_IN: length 34.9
  Top w0.2: v1(43.22,130.91) 39.37,130.91 v1(30.69,139.59) ; D146.3 47.01,126.36 48.94,128.29 48.94,131.39 47.79,132.54 v1(44.94,132.54)
  Bottom w0.2: v1(28.83,143.69) 28.83,141.45 v1(30.69,139.59) ; v1(43.22,130.91) 44.85,132.54 v1(44.94,132.54)
/F1/RGB_IN: length 172.5
  Top w0.2: 108.06,126.51 108.06,129.41 107.71,129.76 80.56,129.76 43.16,92.36 43.16,74.87 49.19,68.84 49.19,26.29 39.84,16.94 36.84,16.94 36.79,16.89 33.64,16.89 32.91,17.61
/F1/RGB_OUT: length 71.4
  Top w0.2: D144.1 77.35,125.41 50.36,98.43 50.36,95.06
/F2/RGB_OUT: length 78.9
  Top w0.2: D8.3 85.19,110.49 116.71,110.49 131.63,125.41 D148.1
/F3/RGB_IN: length 214.5
  Top w0.2: 165.21,126.51 165.21,129.41 164.86,129.76 158.73,129.76 139.06,110.09 85.35,110.09 84.3,109.03 84.3,88.9 83.59,88.19 83.59,74.79 92.19,66.19 92.19,55.07 96.86,50.39 96.86,40.77 106.27,31.35 106.27,27.12 96.45,17.3 80.61,17.3 80.51,17.4 D132.1
/F3/RGB_OUT: length 88.4
  Top w0.2: D150.1 154.95,125.41 139.23,109.69 103.39,109.69 D10.3
/F4/RGB_OUT: length 98
  Top w0.2: D12.3 121.64,108.89 139.56,108.89 154.73,124.06 191.64,124.06 D152.1
/F5/RGB_IN: length 194.8
  Top w0.2: 222.36,126.51 222.36,129.41 222.01,129.76 199.44,129.76 193.34,123.66 154.9,123.66 139.72,108.49 121.8,108.49 119.32,106.01 119.32,75.16 128.88,65.6 128.88,50.89 133.85,45.93 133.85,37.55 132.54,36.24 130.64,36.24 130.54,36.34 D104.1
/F5/RGB_OUT: length 110.8
  Top w0.2: D14.3 155.06,123.26 193.5,123.26 199.6,129.36 217.14,129.36 221.09,125.41 D154.1
/F6/RGB_IN: length 224.7
  Top w0.2: 250.94,126.51 250.94,129.41 250.59,129.76 249.69,129.76 229.76,109.84 154.49,109.84 142.56,97.91 142.56,88.4 151.68,79.28 151.68,69.16 156.44,64.39 156.44,50.29 165.23,41.5 165.23,28.74 164.72,28.23 164.72,23.22 158.69,17.19 152.06,17.19 151.96,17.29 D134.1
/F6/RGB_OUT: length 117
  Top w0.2: D16.3 160.29,109.44 229.93,109.44 245.9,125.41 D156.1
/F7/RGB_IN: length 214.4
  Top w0.2: D108.1 168.64,36.34 168.74,36.24 171.36,36.24 171.95,36.82 171.95,46.03 166.99,50.99 166.99,65.6 157.46,75.12 157.46,106.05 160.45,109.04 230.1,109.04 245.3,124.24 263.84,124.24 269.36,129.76 279.16,129.76 279.46,129.46 279.46,126.56 D158.3
/F7/RGB_OUT: length 126.5
  Top w0.2: D158.1 277.14,123.84 245.46,123.84 230.26,108.64 178.54,108.64 D18.3
/F8/RGB_IN: length 215.2
  Top w0.2: 187.69,36.71 188.16,36.24 189.05,36.24 191,38.19 191,45.98 186.09,50.89 186.09,65.26 176.51,74.84 176.51,93.26 191.49,108.24 276.76,108.24 293.36,124.84 301.91,124.84 306.91,129.84 307.69,129.84 308.09,129.44 308.09,126.51
/F9/RGB_OUT: length 145.6
  Top w0.2: D22.3 215.04,107.04 277.26,107.04 293.86,123.64 334.09,123.64 D162.1
/F10/RGB_IN: length 239.5
  Top w0.2: D114.1 225.79,36.34 225.89,36.24 228.18,36.24 229.1,37.15 229.1,45.98 224.13,50.94 224.13,65.6 214.61,75.12 214.61,100.71 220.54,106.64 340.89,106.64 364.01,129.76 364.91,129.76 365.26,129.41 365.26,126.49
/F10/RGB_OUT: length 155.1
  Top w0.2: D24.3 233.24,106.19 341,106.19 360.23,125.41 D164.1
/F/RGB_IN: length 21.8
  Top w0.2: 121.81,56.96 121.81,62.21 114.38,69.64 114.38,73.03 116.26,74.91
/F/RGB_OUT: length 25.3
  Top w0.2: 131.36,37.89 131.36,40.86 131.01,41.21 128.55,41.21 119.14,50.62 119.14,53.99 121.01,55.86
/Five/RGB_OUT: length 25.2
  Top w0.2: D14.1 123.91,92.11 123.91,88.67 133.14,79.44 135.59,79.44 136.11,78.91 136.11,76.01
/Fn/RGB_IN: length 45.5
  Top w0.2: 247.99,18.89 247.99,21.84 252.99,26.84 270.19,26.84 270.64,26.39 275.94,26.39 276.49,26.94 276.49,28.08 278.69,30.28 278.69,34.94 D118.1
/Four/RGB_OUT: length 25.2
  Top w0.2: 117.06,76.01 117.06,78.91 116.64,79.34 114.24,79.34 104.86,88.72 104.86,92.11 D12.1
/G/RGB_IN: length 21.8
  Top w0.2: 140.86,56.96 140.86,62.24 133.43,69.67 133.43,73.03 135.31,74.91
/H/RGB_IN: length 22
  Top w0.2: 154.36,74.91 152.48,73.03 152.48,69.49 159.86,62.11 159.86,57.01 D82.3
/H/RGB_OUT: length 25.3
  Top w0.2: 159.11,55.86 157.24,53.99 157.24,50.62 166.63,41.24 169.09,41.24 169.46,40.86 169.46,37.89
/Home/RGB_IN: length 95
  Top w0.2: D124.1 321.04,17.29 321.54,16.79 321.99,16.79 334.28,29.08 334.28,93.43 339.16,98.31 340.51,98.31 340.86,97.96 340.86,95.06
/I/RGB_OUT: length 21.8
  Top w0.2: 192.46,74.91 190.58,73.03 190.58,69.54 198.01,62.11 198.01,56.96
/Insert/RGB_IN: length 97.7
  Top w0.2: 321.81,95.06 321.81,97.96 321.46,98.31 320.56,98.31 314.62,92.37 314.62,34.97 296.84,17.19 294.96,17.19 294.86,17.29 D136.1
/J/RGB_IN: length 22
  Top w0.2: 173.41,74.91 173.41,74.42 171.53,72.54 171.53,69.55 178.91,62.16 178.91,57.01 D84.3
/J/RGB_OUT: length 25.3
  Top w0.2: 178.16,55.86 176.29,53.99 176.29,50.62 185.7,41.21 188.16,41.21 188.51,40.86 188.51,37.89
/L/RGB_IN: length 21.8
  Top w0.2: 211.51,74.91 209.63,73.03 209.63,69.54 217.06,62.11 217.06,56.96
/L/RGB_OUT: length 25.3
  Top w0.2: 216.26,55.86 214.39,53.99 214.39,50.62 223.8,41.21 226.26,41.21 226.61,40.86 226.61,37.89
/LeftAlt/RGB_IN: length 23.8
  Top w0.2: 81.29,19 81.29,21.95 81.63,22.29 83.94,22.29 88.34,26.69 88.34,28.24 90.57,30.47 90.57,34.94 D100.1
/LeftBracket/RGB_IN: length 25.4
  Top w0.2: D64.3 250.36,76.06 250.36,78.96 250.06,79.26 247.61,79.26 238.21,88.67 238.21,92.11 D26.1
/LeftControl/RGB_IN: length 25
  Top w0.2: D96.1 40.56,34.96 40.56,29.91 42.34,28.14 42.34,25.29 38.81,21.76 38.81,20.51 37.01,18.71 D128.3
/Menu/RGB_IN: length 53.1
  Top w0.2: 285.31,55.86 283.45,54 283.45,50.5 289.97,43.98 289.97,31.24 282.5,23.77 273.72,23.77 271.82,21.88 271.82,18.85
/Minus/RGB_IN: length 116.8
  Top w0.2: D142.1 223.41,17.29 223.61,17.09 238.82,17.09 251.62,29.89 251.62,42.59 243.19,51.03 243.19,65.6 233.59,75.2 233.59,92.24 239.57,98.22 240.51,98.22 240.81,97.92 240.81,95.11 D26.3
/Nine/RGB_OUT: length 25.2
  Top w0.2: D22.1 200.11,92.11 200.11,88.72 209.54,79.29 211.94,79.29 212.31,78.91 212.31,76.01
/One/RGB_OUT: length 23.8
  Top w0.2: 59.91,76.01 59.91,78.91 59.56,79.26 59.01,79.26 51.64,86.64 51.64,87.55 53.09,89 53.09,90.03 49.56,93.56 D4.1
/P/RGB_IN: length 25.3
  Top w0.2: 231.36,76.01 231.36,78.96 231.04,79.29 228.39,79.29 219.16,88.52 219.16,92.11 D24.1
/P/RGB_OUT: length 21.8
  Top w0.2: 230.56,74.91 228.68,73.03 228.68,69.67 236.11,62.24 236.11,56.96
/PageDown/RGB_IN: length 19.8
  Top w0.2: D36.1 357.27,92.12 357.27,88.72 359.95,86.04 359.95,76.01
/PageDown/RGB_OUT: length 57.9
  Top w0.2: 359.15,74.91 357.27,73.03 357.27,68.66 359.94,65.99 359.94,18.86
/Return/RGB_IN: length 27.4
  Top w0.2: D94.3 286.06,57.01 286.06,60.48 273.51,73.04 270.06,73.04 268.66,74.44 268.66,74.91
/Right/RGB_OUT: length 10.2
  Top w0.2: R2.1 360.89,15.54 359.14,17.29 D126.1
/RightAlt/RGB_IN: length 32
  Top w0.2: D142.3 233.61,18.71 240.71,25.81 240.71,28.21 242.97,30.47 242.97,34.94 D116.1
/S/RGB_IN: length 21.8
  Top w0.2: 78.16,74.91 76.28,73.03 76.28,68 83.69,60.59 83.69,56.99
/S/RGB_OUT: length 25.2
  Top w0.2: 93.24,37.91 93.24,40.89 92.91,41.21 90.41,41.21 81.04,50.58 81.04,53.99 82.91,55.86
/Semicolon/RGB_OUT: length 25.3
  Top w0.2: 245.66,37.89 245.66,40.86 245.09,41.44 242.63,41.44 233.44,50.62 233.44,53.99 235.31,55.86
